# Altium PCB GiroScope.PcbDoc (part 3 of 4)
Units mm, origin at the board's own origin, x right, y up, seen from the top; angles counter-clockwise.
Board outline 185 x 124.5 mm, 2 copper layers (Top Layer, Bottom Layer); 299 components, 122 nets, 3024 pads, 61 vias.
Unrouted connection lines stored in the file: 4.
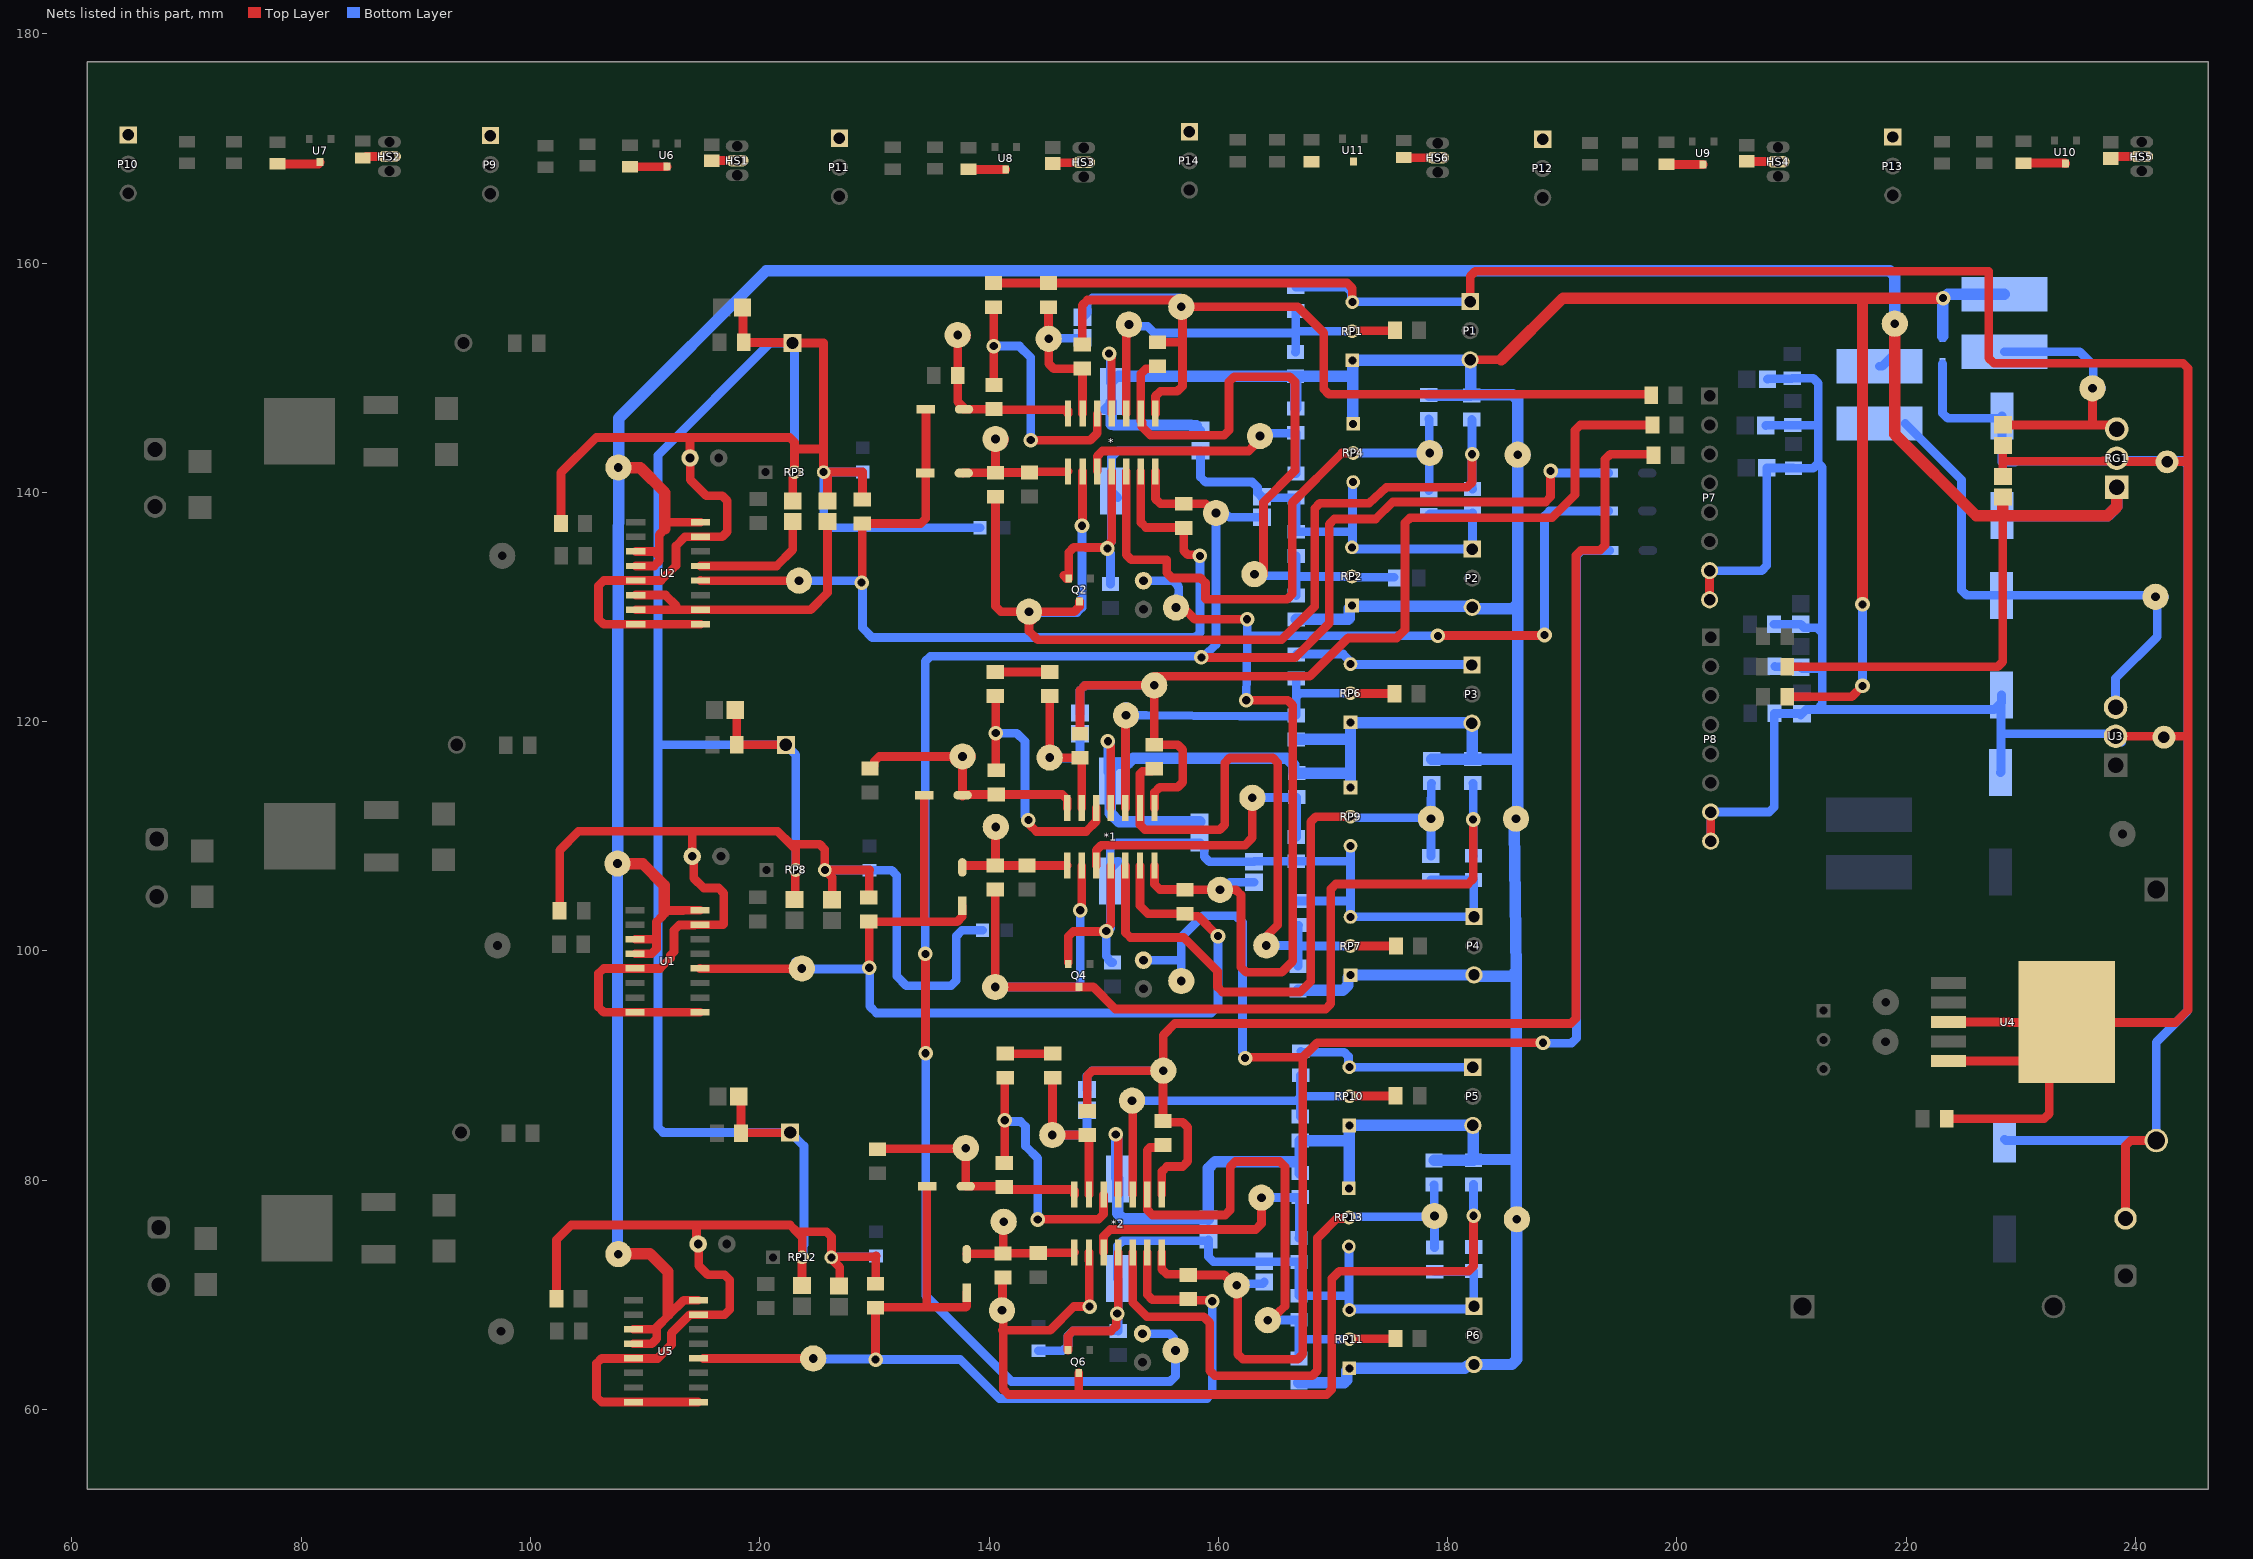
[diagram p3: the nets of this part, all layers, seen from the top]

## Via types
v1: diameter 1.27, hole 0.711, Top Layer to Bottom Layer, 61 vias

## Nets (pads, with @x,y where several pads share a name; then routed paths per layer and width w, separated by ;. In a path a pad name is that pad's centre, name@x,y a point inside that pad or via, vN(x,y) a via of type N, cw(c..) or ccw(c..) an arc to the next point about the centre after c; other vN are vias at no path point)
+5: *1.4 *2.4 *.4 C8.1 C10.2 C16.1 C18.2 C22.1 C24.2 L1.2 P1.3 P2.3 P3.3 P4.3 P5.3 P6.3 R2.2 R14.1 R16.2 R19.1 R24.2 R29.2 R41.1 R43.2 R46.1 R51.2 R56.2 R67.1 R69.2 R72.1 R77.2 R89.2 RP1.1 RP2.1 RP4.1 RP6.1 RP7.1 RP9.1 RP10.1 RP11.1 RP13.1 TP7.1 TP20.1 TP35.1 Z1.1 | length 447.3
  Top Layer w0.7: v1@150.656,151.909 150.579,151.832 150.698,151.712 *.4@150.698,146.862
  Top Layer w0.762: v1(150.368,118.288) 150.368,118.15 150.622,117.896 *1.4@150.622,112.47 ; v1(150.47,152.095) 150.47,151.958 v1@150.698,151.729 ; v1(151.054,83.998) 151.257,83.795 *2.4@151.257,78.74 ; P1.3@181.961,151.562 184.683,151.562 ; R89.2@209.61,122.174 215.24,122.174 v1(216.179,123.114) ; 216.129,156.947 216.179,156.896
  Top Layer w1: 184.683,151.562 190.068,156.947 216.129,156.947 v1(223.215,156.947) ; v1(216.179,130.226) 216.179,156.896
  Bottom Layer w0.762: C16.1@150.054,147.229 150.673,147.848 C16.1@150.673,148.8 150.673,149.511 C16.1@151.292,150.13 ; v1(150.368,118.288) v1@150.465,118.191 ; v1(150.47,152.095) 150.567,151.998 150.567,149.566 C16.1@150.622,149.511 ; v1(151.054,83.998) v1@151.13,83.922 ; C8.1@151.13,80.201 C8.1@151.206,80.125 ; 157.602,145.873 C10.2@157.677,145.798 ; C10.2@158.074,145.798 C10.2@158.445,145.427 ; C24.2@159.067,76.657 C24.2@159.131,76.593 ; R2.2@166.726,150.13 R2.2@166.738,150.117 ; R14.1@166.738,147.317 R14.1@166.751,147.304 ; 170.978,62.348 171.206,62.575 ; RP11.1@171.206,63.383 RP11.1@171.425,63.602 ; RP7.1@171.307,97.673 RP7.1@171.526,97.892 RP7.1@171.539,97.904 ; 171.316,118.447 171.526,118.237 ; 171.334,128.912 171.429,129.007 ; RP13.1@171.379,79.299 RP13.1@171.402,79.322 ; RP10.1@171.402,84.762 RP10.1@171.425,84.785 ; RP2.1@171.429,129.905 RP2.1@171.648,130.124 RP2.1@171.724,130.048 ; 171.45,115.519 171.526,115.595 ; RP6.1@171.526,119.939 RP6.1@171.564,119.901 ; RP1.1@171.704,151.536 RP1.1@171.679,151.511 RP1.1@171.717,151.473 ; RP4.1@171.717,146.012 RP4.1@171.755,145.974 ; R24.2@178.359,148.488 R24.2@178.379,148.468 ; R77.2@178.816,81.721 R77.2@178.829,81.734 ; 181.48,63.602 P6.3@181.669,63.791 ; P1.3@181.935,151.536 P1.3@181.961,151.562 P1.3@182.027,151.496 ; R19.1@181.981,148.468 R19.1@182.027,148.513 ; P2.3@182.067,130.048 P2.3@182.143,129.972 P2.3@182.27,129.845 ; P3.3@182.08,119.901 P3.3@182.118,119.863 P3.3@182.156,119.825 ; P6.3@182.155,63.791 P6.3@182.296,63.932 ; R46.1@182.156,116.776 R46.1@182.194,116.738 ; P5.3@182.194,84.785 P5.3@182.22,84.76 ; R72.1@182.22,81.772 R72.1@182.245,81.747 ; R72.1@182.232,81.734 R72.1@182.245,81.747 ; P4.3@182.283,97.904 P4.3@182.296,97.917 P4.3@182.437,97.776 ; R72.1@182.312,81.813 R72.1@182.245,81.747 ; TP7.1@186.106,144.066 TP7.1@186.106,143.281 TP7.1@186.891,143.281 ; v1(216.179,123.114) v1(216.179,130.226) ; v1@223.164,156.816 v1@223.611,157.262 ; L1.2@228.479,157.332 L1.2@228.549,157.262
  Bottom Layer w1: C22.1@150.465,115.625 v1@150.465,118.191 ; 150.673,145.948 C16.1@150.673,147.848 ; 150.928,145.873 157.602,145.873 ; C8.1@151.13,80.201 v1@151.13,83.922 ; C8.1@151.206,80.125 151.206,77.104 151.653,76.657 C24.2@159.067,76.657 ; C16.1@151.292,150.13 R2.2@166.726,150.13 171.717,150.13 ; C10.2@157.677,145.798 C10.2@158.074,145.798 ; C18.2@158.369,111.25 151.335,111.25 150.571,112.014 C22.1@150.571,114.821 150.571,115.871 151.071,116.371 152.121,116.371 152.565,116.815 165.987,116.815 166.573,116.229 166.573,115.622 166.676,115.519 171.45,115.519 ; C24.2@159.131,76.593 159.131,81.05 159.717,81.636 166.878,81.636 ; R14.1@166.738,147.317 R2.2@166.738,150.117 ; R29.2@166.802,118.447 171.316,118.447 ; R16.2@166.802,128.911 171.334,128.912 ; R43.2@166.954,96.561 170.861,96.561 171.307,97.008 RP7.1@171.307,97.673 ; R69.2@167.03,62.348 170.978,62.348 ; R67.1@167.132,80.629 167.132,81.636 R56.2@167.132,83.464 171.402,83.464 ; 171.206,62.575 RP11.1@171.206,63.383 ; RP13.1@171.402,79.322 171.402,83.464 ; RP10.1@171.402,84.762 171.402,83.464 ; RP11.1@171.425,63.602 181.48,63.602 ; RP10.1@171.425,84.785 P5.3@182.194,84.785 ; 171.429,129.007 RP2.1@171.429,129.905 ; RP9.1@171.526,114.249 171.526,115.595 171.526,118.237 RP6.1@171.526,119.939 ; RP7.1@171.539,97.904 P4.3@182.283,97.904 ; RP6.1@171.564,119.901 P3.3@182.08,119.901 ; RP1.1@171.704,151.536 P1.3@181.935,151.536 ; RP4.1@171.717,146.012 RP1.1@171.717,151.473 ; RP2.1@171.724,130.048 P2.3@182.067,130.048 ; R24.2@178.379,148.468 R19.1@181.981,148.468 ; R51.2@178.613,116.738 R46.1@182.194,116.738 186.106,116.738 ; R77.2@178.829,81.734 R72.1@182.232,81.734 ; P6.3@181.669,63.791 P6.3@182.155,63.791 ; P1.3@182.027,151.496 182.027,148.513 185.659,148.513 186.106,148.067 TP7.1@186.106,144.066 ; R46.1@182.156,116.776 P3.3@182.156,119.825 ; R72.1@182.22,81.772 P5.3@182.22,84.76 ; P2.3@182.27,129.845 185.659,129.845 186.106,130.291 ; P6.3@182.296,63.932 185.589,63.932 186.035,64.378 TP35.1@186.035,75.816 ; R72.1@182.312,81.813 185.965,81.813 ; P4.3@182.437,97.776 185.518,97.776 185.965,98.222 ; TP20.1@185.798,110.744 185.965,98.222 ; TP35.1@185.965,77.383 185.965,81.813 ; TP20.1@186.106,112.458 186.106,116.738 ; TP7.1@186.106,142.496 186.106,130.291 ; Z1.1@223.164,153.6 v1@223.164,156.816 ; v1@223.611,157.262 L1.2@228.549,157.262 ; 185.965,81.813 185.965,98.222 ; 186.106,116.738 186.106,130.291
+12: C3.1 C6.1 L2.2 R90.2 RG1.1 TP2.1 TP26.1 TP34.1 TP41.1 U1.8 U1.11 U1.12 U2.8 U2.11 U2.12 U5.8 U5.11 U5.12 | length 327.4
  Top Layer w0.762: TP2.1@107.115,142.719 107.765,142.566 TP2.1@108.416,142.412 ; TP26.1@107.594,107.62 TP26.1@108.38,107.62 ; TP2.1@107.671,142.164 107.696,142.138 TP2.1@108.456,142.138 ; U5.12@108.991,65.735 110.574,65.735 111.023,66.185 111.023,67.191 ; U5.11@108.991,67.005 110.838,67.005 111.023,67.191 ; U1.12@109.137,99.746 110.552,99.746 110.998,100.192 110.998,101.239 ; U1.11@109.137,101.016 110.775,101.016 110.998,101.239 ; U2.12@109.188,133.579 110.78,133.579 111.227,134.025 111.227,134.417 ; U2.11@109.188,134.849 110.795,134.849 111.227,134.417 ; 111.535,103.07 110.998,102.532 110.998,101.239 ; 111.633,103.53 111.658,103.53 113.32,103.53 113.346,103.556 U1.8@114.789,103.556 ; 111.658,137.389 111.735,137.389 U2.8@114.84,137.389 ; 111.735,136.804 111.227,136.296 111.227,134.417 ; 111.998,68.334 112.082,68.25 ; U5.8@114.643,69.545 113.378,69.545 112.082,68.25 ; R90.2@209.61,124.79 227.976,124.79 228.422,125.237 228.422,137.973 ; TP34.1@218.999,153.926 TP34.1@218.999,154.711 ; 111.023,67.191 112.082,68.25
  Top Layer w1: TP26.1@108.38,107.62 109.779,107.62 111.658,105.74 111.658,103.53 111.658,103.361 ; TP2.1@108.456,142.138 109.576,142.138 111.735,139.979 111.735,137.389 111.735,136.804 ; TP41.1@108.685,73.609 110.414,73.609 111.998,72.025 111.998,68.334 ; TP34.1@218.999,153.926 218.999,145.059 226.085,137.973 228.422,137.973 ; C3.1@228.422,139.587 228.422,137.973 ; RG1.1@238.354,140.442 238.354,138.749 237.577,137.973 228.422,137.973
  Bottom Layer w0.762: L2.2@217.653,151.003 217.909,151.003 219.028,152.122 TP34.1@219.028,153.927
  Bottom Layer w1: TP41.1@107.594,74.34 TP26.1@107.594,106.835 ; TP26.1@107.632,108.404 107.632,124.638 TP2.1@107.702,141.379 ; TP2.1@107.709,142.948 107.709,146.469 120.548,159.309 218.552,159.309 218.999,158.862 TP34.1@218.999,155.496 ; C6.1@228.346,137.966 237.571,137.966 238.354,138.749 RG1.1@238.354,140.442
GND: *1.11 *2.11 *.11 C2.2 C3.2 C4.1 C5.2 C6.2 C7.2 C8.2 C9.1 C10.1 C11.2 C12.2 C14.1 C15.2 C16.2 C17.1 C18.1 C20.1 C21.2 C22.2 C23.1 C24.1 C25.1 C26.1 C27.1 C28.1 C29.1 C30.1 C31.1 C32.1 C33.1 C34.1 C35.1 C36.1 C37.1 C38.1 C39.1 CR1.2 D4.2 D5.2 D10.2 D11.2 D17.2 D18.2 HS1.2 HS2.2 HS3.2 HS4.2 HS5.2 HS6.2 J1.2 J8.1 J9.1 J10.1 P1.1 P2.1 P3.1 P4.1 P5.1 P6.1 P7.7 P7.8 P8.7 P8.8 P9.1 P10.1 P11.1 P12.1 P13.1 P14.1 pad.2 Q2.2 Q4.2 Q6.2 R3.2 R7.1 R10.2 R11.2 R18.1 R20.2 R22.1 R23.1 R25.1 R26.2 R30.2 R33.1 R34.1 R37.2 R38.2 R45.1 R47.2 R49.1 R50.1 R52.1 R53.2 R57.2 R60.1 R63.2 R64.2 R71.1 R73.2 R75.1 R76.1 R78.1 R79.2 R83.2 R84.2 R85.2 R87.1 R88.2 R92.2 R93.2 R94.2 R96.1 R97.2 R99.1 R100.2 R107.2 R108.2 R109.2 R116.2 R117.2 R118.2 RG1.2 RP1.3 RP2.3 RP3.2 RP3.3 RP4.3 RP6.3 RP7.3 RP8.2 RP8.3 RP9.3 RP10.3 RP11.3 RP12.2 RP12.3 RP13.3 U1.1 U1.7 U1.13 U1.16 U2.1 U2.7 U2.13 U2.16 U3.2 U4.3 U4.5 U4.6 U5.1 U5.7 U5.13 U5.16 U6.3 U7.3 U8.3 U9.3 U10.3 U11.3 Z1.2 | length 1253.8
  Top Layer w0.762: R108.2@77.953,168.645 81.507,168.645 U7.3@81.661,168.799 ; C32.1@85.33,169.111 C32.1@85.369,169.151 85.569,169.151 85.71,169.291 HS2.2@87.706,169.291 ; R71.1@102.267,69.672 102.267,74.81 103.556,76.098 114.484,76.098 ; R45.1@102.546,103.505 102.546,108.795 104.191,110.439 113.97,110.439 ; R18.1@102.657,137.287 102.657,141.697 105.74,144.78 113.843,144.78 ; R107.2@108.687,168.391 111.885,168.391 U6.3@111.902,168.409 ; U5.1@114.643,60.655 U5.16@108.991,60.655 106.212,60.655 105.766,61.102 105.766,64.019 106.212,64.465 U5.13@108.991,64.465 111.1,64.465 112.293,65.659 112.293,66.665 113.904,68.275 U5.7@114.643,68.275 116.927,68.275 117.373,68.722 117.373,71.309 116.927,71.755 115.468,71.755 114.681,72.542 114.681,74.397 J10.1@114.63,74.447 114.484,74.593 114.484,76.098 ; U1.1@114.789,94.666 U1.16@109.137,94.666 106.39,94.666 105.943,95.112 105.943,98.029 106.39,98.476 U1.13@109.137,98.476 111.303,98.476 112.217,99.39 112.217,99.615 112.522,99.92 112.522,101.814 112.968,102.26 114.338,102.26 114.364,102.286 U1.7@114.789,102.286 116.789,102.286 116.865,102.362 116.865,105.04 116.419,105.486 115.113,105.486 114.249,106.35 114.249,108.117 J9.1@114.111,108.255 114.111,110.298 113.97,110.439 ; U2.1@114.84,128.499 U2.16@109.188,128.499 106.39,128.499 105.943,128.945 105.943,131.862 106.39,132.309 U2.13@109.188,132.309 111.379,132.309 112.689,133.619 112.689,135.32 113.487,136.119 U2.7@114.84,136.119 116.724,136.119 117.17,136.565 117.17,139.254 116.724,139.7 115.341,139.7 113.944,141.097 113.944,142.977 J8.1@113.919,143.002 113.919,144.704 113.843,144.78 ; C31.1@115.688,168.935 HS1.2@118.034,168.935 ; C38.1@117.856,121.031 117.992,120.895 R97.2@117.992,117.983 R96.1@122.276,117.983 ; C39.1@118.161,87.3 118.373,87.087 R100.2@118.373,84.099 118.412,84.138 122.618,84.138 R99.1@122.657,84.176 ; C37.1@118.489,156.108 118.546,156.052 118.546,153.142 R88.2@118.602,153.086 118.627,153.06 122.834,153.06 R87.1@122.86,153.035 125.563,153.035 125.563,143.789 ; C4.1@122.885,139.255 RP3.2@122.885,141.486 ; C14.1@123.038,104.482 123.088,104.533 123.088,107.015 RP8.2@123.139,107.066 123.139,108.85 122.693,109.296 ; RP3.2@123.038,141.757 123.038,143.866 ; C20.1@123.673,70.815 123.685,70.828 123.685,73.266 RP12.2@123.698,73.279 123.698,75.042 123.226,75.514 ; RP3.3@125.578,141.757 125.563,141.772 125.563,143.789 ; RP3.3@125.628,141.766 128.973,141.766 ; RP3.3@125.908,141.309 C5.2@125.908,139.255 C5.2@125.97,139.317 ; C15.2@126.314,104.457 126.314,106.401 125.679,107.036 RP8.3@125.679,107.066 ; C21.2@126.924,70.776 126.975,70.827 126.975,72.424 126.238,73.16 RP12.3@126.238,73.279 RP12.3@126.263,73.304 ; R11.2@128.93,139.379 128.956,139.405 128.956,141.749 128.973,141.766 ; 128.981,141.774 128.973,141.766 ; R38.2@129.515,104.657 129.54,104.683 129.54,107.027 129.565,107.052 129.559,107.059 125.686,107.059 RP8.3@125.679,107.066 ; R64.2@130.099,70.977 130.124,71.002 130.124,73.372 ; 130.15,73.397 130.124,73.372 ; R109.2@138.252,168.112 R109.2@138.201,168.162 141.429,168.162 U8.3@141.453,168.139 ; R3.2@140.386,158.251 R10.2@145.186,158.251 171.232,158.251 171.679,157.805 RP1.3@171.679,156.591 ; R30.2@140.538,124.342 140.543,124.338 145.283,124.338 R37.2@145.288,124.333 ; R57.2@141.402,91.043 R63.2@145.567,91.043 ; C33.1@145.442,168.677 C33.1@145.567,168.677 145.628,168.737 147.65,168.737 147.695,168.783 HS3.2@148.26,168.783 ; 146.508,132.743 146.755,132.496 Q2.2@146.954,132.496 ; Q6.2@146.878,65.186 146.878,66.406 147.324,66.853 150.637,66.853 151.084,67.299 151.084,68.142 v1@151.257,68.142 ; Q4.2@146.903,98.993 146.903,101.255 147.35,101.702 148.438,101.702 148.442,101.697 150.042,101.697 150.157,101.633 150.216,101.6 v1(150.216,101.737) 150.216,101.875 150.622,102.281 *1.11@150.622,107.442 ; Q2.2@146.954,132.743 146.954,134.758 147.401,135.204 148.427,135.204 148.432,135.2 150.093,135.2 v1@150.19,135.103 ; v1(150.328,135.103) v1@150.19,135.103 ; *.11@150.698,141.834 150.698,135.748 150.19,135.24 v1@150.19,135.103 ; v1@151.257,68.036 v1@151.257,68.142 ; *2.11@151.257,73.712 v1@151.257,68.142 ; RP2.3@171.564,135.288 RP2.3@171.648,135.204 ; C36.1@175.88,169.189 175.892,169.201 C36.1@176.174,169.201 176.186,169.189 HS6.2@179.121,169.189 ; P1.1@181.961,156.642 181.961,158.837 182.407,159.283 227.203,159.283 227.203,151.703 227.649,151.257 244.13,151.257 244.577,150.811 244.577,142.697 ; R116.2@199.093,168.62 199.126,168.586 U9.3@202.283,168.586 ; P7.7@202.844,133.172 P7.8@202.844,130.632 P7.8@202.999,130.632 ; P8.8@202.941,109.576 P8.7@202.941,112.116 ; C34.1@206.104,168.87 206.121,168.852 208.203,168.852 208.221,168.834 HS4.2@208.813,168.834 ; R33.1@223.529,85.369 232.014,85.369 232.461,85.816 U4.6@232.461,92.268 ; U4.5@223.69,90.398 230.591,90.398 U4.6@232.461,92.268 ; U4.3@223.69,93.802 228.981,93.802 229.032,93.751 U4.6@233.944,93.751 ; C3.2@228.397,141.707 228.409,141.719 228.409,142.723 ; C2.2@228.422,144.096 228.409,144.083 228.409,142.723 ; R117.2@230.226,168.721 233.834,168.721 U10.3@233.883,168.672 ; 236.906,142.723 228.409,142.723 ; 237.152,142.73 237.963,142.73 237.996,142.697 244.577,142.697 ; C35.1@237.846,169.124 237.944,169.222 238.405,169.222 238.473,169.291 HS5.2@240.538,169.291 ; U3.2@238.252,118.72 244.577,118.72 ; J1.2@239.124,76.668 239.124,83.018 239.57,83.464 CR1.2@241.808,83.464 ; 113.843,144.78 122.617,144.78 123.038,144.359 123.038,143.866 ; 113.97,110.439 121.55,110.439 122.693,109.296 ; 114.484,76.098 122.642,76.098 123.226,75.514 ; 122.693,109.296 125.233,109.296 125.679,108.85 RP8.3@125.679,107.066 ; 123.038,143.866 123.114,143.789 125.563,143.789 ; 123.226,75.514 125.817,75.514 126.263,75.068 RP12.3@126.263,73.304 ; RP12.3@126.263,73.304 126.297,73.338 130.09,73.338 130.124,73.372 ; U4.6@232.461,92.268 U4.6@233.944,93.751 ; U4.6@233.944,93.751 243.484,93.751 244.577,94.844 244.577,118.72 ; 244.577,118.72 244.577,142.697
  Bottom Layer w0.762: RP3.2@123.038,141.757 123.038,152.857 R87.1@122.86,153.035 120.929,153.035 111.125,143.231 111.125,118.085 ; RP8.2@123.139,107.066 123.139,117.119 R96.1@122.276,117.983 111.227,117.983 111.125,118.085 ; RP12.2@123.698,73.279 123.782,73.363 123.782,74.328 123.85,74.397 123.85,82.982 R99.1@122.657,84.176 111.571,84.176 111.125,84.622 111.125,118.085 ; RP8.3@125.679,107.066 125.686,107.059 129.559,107.059 D10.2@129.565,107.052 129.582,107.036 131.507,107.036 131.953,106.589 131.953,97.815 132.791,96.977 136.688,96.977 137.135,97.424 137.135,101.295 137.643,101.803 D11.2@139.429,101.803 ; RP12.3@126.238,73.279 126.297,73.338 130.09,73.338 D17.2@130.15,73.397 ; D4.2@128.981,141.774 128.973,141.766 125.586,141.766 RP3.3@125.578,141.757 125.578,137.352 126.024,136.906 D5.2@139.209,136.906 ; D18.2@144.323,65.142 146.432,65.142 146.878,65.589 146.878,66.432 147.324,66.878 151.241,66.878 R78.1@151.257,66.862 C8.2@151.257,71.374 ; v1@150.19,135.24 150.673,135.723 C16.2@150.673,140.1 ; v1@150.521,134.909 v1(150.328,135.103) 150.328,134.965 150.597,134.696 R25.1@150.597,132.013 ; v1@150.571,102.093 C22.2@150.571,106.121 C22.2@150.571,107.171 ; v1@150.597,101.981 150.353,101.737 v1(150.216,101.737) 150.216,99.561 150.401,99.376 150.401,99.225 150.624,99.003 R52.1@150.774,99.003 ; C8.2@151.206,71.425 151.206,74.28 151.653,74.727 159.067,74.727 C24.1@159.131,74.791 159.131,73.346 159.577,72.899 166.994,72.899 R76.1@167.03,72.863 R73.2@167.03,69.936 171.402,69.936 ; C22.2@151.229,107.83 C22.2@150.571,107.171 ; C16.2@151.234,139.538 C16.2@150.673,140.1 ; C17.1@163.119,107.784 159.212,107.784 158.766,108.23 158.766,109.077 158.395,109.449 C18.1@158.369,109.449 151.018,109.449 150.571,109.002 C22.2@150.571,107.171 ; C17.1@163.119,107.83 R50.1@166.802,107.829 171.469,107.83 171.526,107.772 ; C9.1@163.805,139.538 R23.1@166.776,139.538 166.789,139.525 166.789,136.573 R20.2@166.802,136.56 171.686,136.56 171.702,136.576 ; C9.1@163.805,139.624 163.779,139.624 163.407,139.995 163.407,140.447 162.961,140.894 158.892,140.894 158.445,141.34 C10.1@158.445,143.625 151.245,143.625 150.673,143.053 C16.2@150.673,140.1 ; R7.1@166.751,157.912 171.166,157.912 171.612,157.465 171.612,156.658 RP1.3@171.679,156.591 171.704,156.616 181.935,156.616 P1.1@181.961,156.642 ; R34.1@166.837,125.902 170.861,125.902 171.442,125.32 171.442,125.103 RP6.3@171.526,125.019 171.564,124.981 182.08,124.981 P3.1@182.118,124.943 ; R47.2@166.98,104.353 171.51,104.353 171.526,104.369 ; R60.1@167.183,91.256 167.278,91.161 170.978,91.161 171.341,90.798 171.341,89.949 RP10.3@171.425,89.865 P5.1@182.194,89.865 ; RP13.3@171.379,74.219 171.402,74.196 171.402,69.936 ; RP9.3@171.526,109.169 171.526,107.772 ; RP4.3@171.755,140.894 171.702,140.841 171.702,136.576 ; R26.2@178.359,138.04 178.435,138.116 182.093,138.116 R22.1@182.156,138.179 ; R53.2@178.537,106.188 178.541,106.193 182.24,106.193 R49.1@182.245,106.197 182.27,106.172 182.27,103.022 P4.1@182.296,102.997 182.283,102.984 171.539,102.984 RP7.3@171.526,102.972 171.526,104.369 ; R79.2@178.867,72.025 178.892,72.05 182.245,72.05 R75.1@182.27,72.076 182.283,72.063 182.283,69.025 P6.1@182.296,69.012 182.049,68.765 171.508,68.765 RP11.3@171.425,68.682 171.402,68.705 171.402,69.936 ; R22.1@182.169,138.192 R22.1@182.156,138.179 ; P7.8@202.844,130.632 P7.7@202.844,133.172 207.388,133.172 207.835,133.619 C27.1@207.835,142.138 207.852,142.121 210.142,142.121 R85.2@210.16,142.104 211.872,142.104 212.319,142.55 ; P8.8@202.941,109.576 P8.7@202.941,112.116 208.046,112.116 208.493,112.562 R92.2@208.493,120.726 208.511,120.708 210.679,120.708 210.797,120.59 C28.1@210.822,120.615 ; C26.1@207.747,145.821 207.767,145.842 210.088,145.842 R84.2@210.109,145.863 212.252,145.863 212.319,145.796 ; C25.1@207.885,149.86 207.931,149.906 210.012,149.906 R83.2@210.058,149.952 211.872,149.952 212.319,149.506 212.319,145.796 ; R94.2@208.467,128.499 208.473,128.493 C30.1@210.789,128.493 ; R93.2@208.518,124.841 208.562,124.797 210.751,124.797 C29.1@210.795,124.753 210.92,124.628 212.674,124.628 ; C30.1@210.795,128.487 211.086,128.196 212.228,128.196 212.674,127.749 ; C28.1@210.896,120.689 211.268,121.06 212.228,121.06 ; Z1.2@223.164,151.2 223.164,146.903 223.611,146.456 228.136,146.456 C6.2@228.346,146.666 228.346,142.646 229.514,142.646 229.514,142.723 RG1.2@238.354,142.723 ; C11.2@228.219,115.57 228.257,115.608 228.257,118.945 ; C7.2@228.295,122.32 228.295,121.679 C7.2@228.257,121.641 ; C12.2@228.575,83.579 228.689,83.464 CR1.2@241.808,83.464 241.808,92.05 244.551,94.793 244.551,142.352 244.105,142.799 238.531,142.799 RG1.2@238.354,142.977 ; U3.2@238.792,118.22 238.067,118.945 228.257,118.945 ; 171.526,104.369 171.526,107.772 ; 171.702,136.576 171.702,135.257 RP2.3@171.648,135.204 171.767,135.204 171.919,135.052 P2.1@182.143,135.052 182.156,135.064 R22.1@182.156,138.179 ; 212.228,121.06 227.676,121.06 C7.2@228.257,121.641 ; 212.228,121.06 212.674,121.507 212.674,124.628 ; 212.319,142.55 212.674,142.194 212.674,127.749 ; 212.319,142.55 212.319,145.796 ; 212.674,124.628 212.674,127.749 ; 228.257,118.945 C7.2@228.257,121.641
  other v1: 151.181,68.377
Net*1_1: *1.1 C13.1 R27.2 R36.2 R82.2 TP21.1 | length 93.6
  Top Layer w0.762: R36.2@147.93,118.948 147.93,122.718 148.376,123.165 TP21.1@153.621,123.165 ; TP21.1@154.407,122.379 R27.2@154.407,117.992 156.449,117.992 156.896,117.546 156.896,114.721 156.449,114.275 154.878,114.275 154.432,113.828 *1.1@154.432,112.47 ; TP21.1@154.407,123.165 154.407,123.95 167.968,123.95 171.323,127.305 175.565,127.305 176.276,128.016 176.276,137.349 176.722,137.795 189.103,137.795 191.111,139.803 191.111,145.426 191.558,145.872 R82.2@197.857,145.872
  Bottom Layer w0.762: C13.1@147.93,120.75 147.93,122.718 148.376,123.165 TP21.1@153.622,123.165
Net*1_2: *1.2 R27.1 R42.2 R43.1 R47.1 RP7.2 TP27.1 | length 54.5
  Top Layer w0.762: R27.1@154.407,115.891 154.184,115.669 153.386,115.669 153.162,115.444 *1.2@153.162,112.47 153.162,111.013 153.608,110.566 160.107,110.566 160.553,111.013 160.553,116.394 161,116.84 164.73,116.84 165.176,116.394 165.176,102.259 164.186,101.268 TP27.1@164.186,100.482 ; RP7.2@171.526,100.432 R42.2@175.489,100.432
  Bottom Layer w0.762: TP27.1@164.971,100.482 166.941,100.482 166.967,100.457 ; R43.1@166.954,98.663 166.967,98.676 166.967,100.457 ; R47.1@166.98,102.251 166.967,102.238 166.967,100.457 ; RP7.2@171.526,100.432 166.992,100.432 166.967,100.457
Net*1_3: *1.3 R28.2 R29.1 R34.2 RP6.2 TP23.1 | length 37.4
  Top Layer w0.254: TP23.1@152.324,120.548 TP23.1@152.375,120.599
  Top Layer w0.762: *1.3@151.892,112.47 TP23.1@151.892,120.548 ; RP6.2@171.526,122.479 171.552,122.453 175.327,122.453 R28.2@175.352,122.428
  Bottom Layer w0.762: TP23.1@151.207,120.548 TP23.1@151.943,120.548 152.137,120.548 152.149,120.548 152.2,120.599 152.296,120.599 152.479,120.599 TP23.1@152.655,120.599 ; TP23.1@151.943,121.333 152.264,121.144 TP23.1@152.629,120.929 ; TP23.1@152.137,120.929 152.382,120.593 152.498,120.433 152.424,120.449 TP23.1@152.655,120.218 ; TP23.1@152.728,120.548 153.684,120.548 161.854,120.472 166.429,120.472 R29.1@166.802,120.548 166.802,122.157 ; R34.2@166.802,123.765 166.802,122.157 ; RP6.2@171.526,122.479 167.124,122.479 166.802,122.157
Net*1_5: *1.5 R30.1 R31.2 | length 24.4
  Top Layer w0.762: R30.1@140.538,122.241 140.589,122.19 v1(140.589,118.999) 140.589,115.808 R31.2@140.64,115.757 ; v1(143.434,111.415) 143.531,111.318 143.531,111.017 144.134,110.414 148.463,110.414 149.352,111.303 *1.5@149.352,112.47
  Bottom Layer w0.762: v1(140.589,118.999) 142.418,118.999 143.129,118.288 143.129,111.72 v1(143.434,111.415)
Net*1_6: *1.6 C13.2 R36.1 R37.1 TP22.1 | length 16.9
  Top Layer w0.762: TP22.1@145.136,117.636 145.477,117.54 TP22.1@145.819,117.445 ; R37.1@145.136,122.241 145.217,122.16 145.288,122.088 TP22.1@145.288,117.651 ; TP22.1@146.046,117.073 146.059,116.982 TP22.1@146.073,116.891 ; TP22.1@146.073,116.856 147.92,116.856 R36.1@147.93,116.846 148.082,116.694 *1.6@148.082,112.47
  Bottom Layer w0.762: TP22.1@145.288,116.865 145.339,116.815 146.071,116.815 147.483,116.815 147.93,117.261 C13.2@147.93,118.948 ; TP22.1@145.288,117.65 145.549,117.551 TP22.1@145.81,117.452
Net*1_7: *1.7 D7.2 R13.2 R31.1 TP50.1 | length 23.4
  Top Layer w0.762: R13.2@129.616,115.91 129.767,115.91 129.989,116.132 129.989,116.521 130.436,116.967 TP50.1@136.908,116.967 ; TP50.1@136.991,116.616 136.949,116.791 TP50.1@136.908,116.967 ; D7.2@137.693,113.589 D7.2@137.693,113.488 ; TP50.1@138.479,116.967 TP50.1@137.693,116.967 ; R31.1@140.64,113.64 137.693,113.64 137.693,116.181 TP50.1@137.693,116.967 ; R31.1@140.64,113.656 146.366,113.656 146.812,113.209 *1.7@146.812,112.47 ; TP50.1@136.908,116.967 TP50.1@137.693,116.967
Net*1_8: *1.8 D9.2 R48.2 R123.1 TP29.1 | length 13.5
  Top Layer w0.762: D9.2@137.668,107.289 137.668,107.451 R123.1@140.538,107.451 ; v1(140.589,110.82) TP29.1@140.564,110.795 ; TP29.1@141.375,110.82 140.59,110.796 TP29.1@140.564,110.795 ; *1.8@146.812,107.442 146.807,107.447 143.312,107.447 R48.2@143.307,107.451 R123.1@140.538,107.451 ; R123.1@140.538,107.451 140.564,107.477 140.564,110.035 TP29.1@140.564,110.795
Net*1_9: *1.9 Q4.3 R46.2 R49.2 R123.2 TP30.1 | length 90
  Top Layer w0.762: TP30.1@140.538,97.636 R123.2@140.538,105.35 ; TP30.1@141.324,96.866 149.079,96.866 151,94.945 169.353,94.945 169.799,95.392 169.799,105.395 170.245,105.842 181.773,105.842 182.22,106.288 v1(182.22,111.468) ; v1(147.955,103.556) 147.93,103.302 148.04,103.511 148.082,103.592 *1.9@148.082,107.442
  Bottom Layer w0.762: TP30.1@140.538,96.85 141.323,96.85 147.853,96.85 147.955,96.952 v1(147.955,103.556) ; R46.2@182.194,114.637 182.22,114.611 v1(182.22,111.468) 182.22,108.324 R49.2@182.245,108.299
Net*1_10: *1.10 R41.2 R50.2 TP28.1 | length 26.3
  Top Layer w0.762: *1.10@149.352,107.442 149.352,108.781 149.798,109.228 162.325,109.228 162.966,109.87 TP28.1@162.966,113.36
  Bottom Layer w0.762: TP28.1@162.966,113.36 162.995,113.389 163.751,113.389 166.799,113.389 R41.2@166.814,113.405 ; R50.2@166.802,109.931 166.814,109.944 R41.2@166.814,113.405 ; R41.2@166.827,113.417 R41.2@166.814,113.405
Net*1_12: *1.12 R51.1 R53.1 RP9.2 TP33.1 | length 58.5
  Top Layer w0.762: *1.12@151.892,107.442 151.892,101.615 152.338,101.168 156.972,101.168 159.918,98.222 159.918,96.865 160.365,96.418 167.132,96.418 168.046,97.333 168.046,111.263 168.493,111.709 RP9.2@171.526,111.709
  Bottom Layer w0.762: RP9.2@171.526,111.709 171.61,111.625 177.757,111.625 177.818,111.364 TP33.1@177.88,111.102 ; TP33.1@178.382,112.301 178.459,112.309 TP33.1@178.537,112.316 ; R53.1@178.537,108.29 178.537,110.746 178.544,111.531 178.552,112.316 R51.1@178.575,114.599 ; TP33.1@178.575,112.315 R51.1@178.575,114.599 ; R51.1@178.613,114.637 R51.1@178.575,114.599
Net*1_13: *1.13 D7.1 D9.1 R38.1 R120.2 TP24.1 U1.4 | length 91.6
  Top Layer w0.762: U1.4@114.789,98.476 114.814,98.45 122.606,98.45 TP24.1@122.631,98.425 ; v1(129.553,98.539) 129.553,102.518 R38.1@129.515,102.556 137.222,102.556 137.668,103.002 D9.1@137.668,103.938 ; 134.341,102.556 D7.1@134.341,113.589 ; *1.13@153.162,107.442 153.162,103.937 153.857,103.242 R120.2@157.25,103.242 ; R120.2@157.099,103.242 157.321,103.019 158.245,103.019 v1(159.969,101.295)
  Bottom Layer w0.762: TP24.1@122.889,98.425 123.787,98.425 124.456,98.425 124.458,98.425 129.515,98.425 v1@129.591,98.501 ; TP24.1@123.118,99.031 TP24.1@123.787,98.728 ; v1(129.553,98.539) v1@129.591,98.501 ; v1(159.969,101.295) 159.969,95.188 159.373,94.592 130.187,94.592 129.591,95.188 v1@129.591,98.501
Net*1_14: *1.14 C17.2 D20.1 J6.1 R120.1 TP16.1 TP32.1 | length 109.5
  Top Layer w0.762: J6.1@153.384,132.377 J6.1@153.467,132.294 ; *1.14@154.432,107.442 154.432,105.81 154.878,105.364 157.078,105.364 R120.1@157.099,105.343 157.104,105.339 TP32.1@159.361,105.339 ; TP16.1@156.312,129.946 156.457,129.801 157.083,129.801 157.954,128.93 v1(162.509,128.93) ; TP32.1@160.147,105.334 160.528,105.334 160.933,105.334 161.529,105.334 161.976,104.887 161.976,98.592 162.422,98.146 165.532,98.146 166.497,99.111 166.497,121.423 166.051,121.869 v1(162.433,121.869) ; v1(179.146,127.483) 179.184,127.521 188.404,127.521 v1(188.443,127.559)
  Bottom Layer w0.762: J6.1@153.467,132.294 156.043,132.294 156.489,131.848 156.489,131.775 156.555,131.71 156.555,131.079 156.457,130.981 TP16.1@156.457,130.718 ; TP32.1@160.795,105.776 161.002,105.982 C17.2@163.119,105.982 ; v1(162.433,121.869) 162.509,126.928 162.509,127.483 ; v1(162.509,128.93) 162.509,127.483 ; v1(179.146,127.483) 162.509,127.483 ; v1(188.443,127.559) 188.443,137.933 188.889,138.379 D20.1@194.058,138.379
Net*2_1: *2.1 C19.1 R54.2 R62.2 R81.2 TP36.1 | length 125.7
  Top Layer w0.762: R62.2@148.565,86.039 148.565,89.114 149.011,89.56 TP36.1@154.408,89.56 ; *2.1@155.067,78.74 155.067,80.757 155.513,81.204 156.881,81.204 157.328,81.65 157.328,84.618 156.881,85.065 155.28,85.065 R54.2@155.169,85.176 155.181,85.188 TP36.1@155.181,88.775 ; TP36.1@155.194,89.56 155.194,90.346 155.194,92.659 156.21,93.675 190.739,93.675 191.186,94.122 191.186,134.504 191.632,134.95 193.279,134.95 193.726,135.397 193.726,142.886 194.172,143.332 197.857,143.332 R81.2@197.958,143.231
  Bottom Layer w0.762: C19.1@148.539,87.908 148.539,89.114 148.986,89.56 154.409,89.56 TP36.1@155.194,89.56
Net*2_2: *2.2 R54.1 R68.2 R69.1 R73.1 RP11.2 TP42.1 | length 52.4
  Top Layer w0.762: R54.1@155.169,83.074 154.946,82.852 154.021,82.852 153.797,82.628 *2.2@153.797,78.74 153.797,77.416 154.243,76.97 160.59,76.97 161.036,77.416 161.036,81.189 161.482,81.636 165.363,81.636 165.809,81.189 165.809,69.039 165.119,68.348 TP42.1@164.563,68.348 ; RP11.2@171.425,66.142 171.45,66.167 175.428,66.167 R68.2@175.454,66.192
  Bottom Layer w0.762: TP42.1@164.008,67.793 164.028,67.813 164.792,67.813 167.01,67.813 R73.1@167.03,67.834 167.03,66.167 167.538,66.167 167.564,66.142 ; R69.1@167.03,64.449 167.03,66.142 167.564,66.142 ; RP11.2@171.425,66.142 167.564,66.142
Net*2_3: *2.3 R55.2 R56.1 R60.2 RP10.2 TP38.1 | length 34.9
  Top Layer w0.762: TP38.1@152.476,86.159 TP38.1@152.476,86.944 ; *2.3@152.527,78.74 TP38.1@152.527,86.108 ; RP10.2@171.425,87.325 171.45,87.351 175.438,87.351 R55.2@175.463,87.376
  Bottom Layer w0.762: TP38.1@152.476,86.944 153.261,86.944 166.811,86.944 167.157,87.29 ; R56.1@167.132,85.566 167.157,85.591 167.157,87.29 ; R60.2@167.183,89.154 167.157,89.129 167.157,87.36 167.192,87.325 ; RP10.2@171.425,87.325 167.192,87.325 ; 167.157,87.29 167.192,87.325
Net*2_5: *2.5 R57.1 R58.2 | length 25.7
  Top Layer w0.762: R58.2@141.326,81.518 141.364,81.556 v1(141.364,85.23) 141.364,88.903 R57.1@141.402,88.941 ; v1(144.247,76.581) 144.262,76.597 149.541,76.597 149.987,77.043 *2.5@149.987,78.74
  Bottom Layer w0.762: v1(141.364,85.23) 141.461,85.133 142.733,85.133 143.18,84.686 143.18,82.982 144.247,81.915 v1(144.247,76.581)
Net*2_6: *2.6 C19.2 R62.1 R63.1 TP37.1 | length 16.8
  Top Layer w0.762: TP37.1@145.542,84.732 145.542,88.916 R63.1@145.567,88.941 ; TP37.1@146.302,83.942 148.56,83.942 R62.1@148.565,83.938 148.717,83.785 *2.6@148.717,78.74
  Bottom Layer w0.762: TP37.1@145.517,83.947 145.662,83.801 146.288,83.801 146.434,83.947 148.093,83.947 148.539,84.393 C19.2@148.539,86.106
Net*2_7: *2.7 D13.2 R17.2 R58.1 TP51.1 | length 20.3
  Top Layer w0.762: R17.2@130.277,82.712 130.323,82.758 137.189,82.758 137.927,82.758 TP51.1@137.973,82.804 ; TP51.1@137.973,82.018 D13.2@137.973,79.477 141.265,79.477 R58.1@141.326,79.416 141.548,79.194 147.345,79.194 147.447,79.092 *2.7@147.447,78.74
Net*2_8: *2.8 D15.2 R74.2 R124.1 TP44.1 | length 12.2
  Top Layer w0.762: D15.2@138.049,73.558 138.049,73.588 141.193,73.588 R124.1@141.224,73.619 R124.1@141.237,73.631 ; TP44.1@141.275,76.378 141.249,76.352 141.249,75.593 141.249,73.644 R124.1@141.237,73.631 ; *2.8@147.447,73.712 147.413,73.678 144.332,73.678 R74.2@144.297,73.644 144.285,73.631 R124.1@141.237,73.631
Net*2_9: *2.9 Q6.3 R72.2 R75.2 R124.2 TP45.1 | length 86.2
  Top Layer w0.762: TP45.1@141.122,68.656 TP45.1@141.247,68.531 ; 141.173,66.929 145.339,66.929 147.396,68.986 v1(148.768,68.986) ; TP45.1@141.173,69.44 141.173,71.466 R124.2@141.224,71.517 ; TP45.1@141.247,67.871 141.247,61.762 141.693,61.316 147.853,61.316 ; TP45.1@141.247,67.871 141.247,67.881 TP45.1@141.247,68.531 ; TP45.1@141.678,68.101 TP45.1@141.247,68.531 ; Q6.3@147.828,63.186 147.828,61.341 147.853,61.316 ; *2.9@148.717,73.712 148.717,72.984 148.742,72.958 v1@148.742,69.012 ; v1(182.258,76.911) 182.258,72.506 181.811,72.06 170.536,72.06 169.901,71.425 169.901,61.762 169.454,61.316 147.853,61.316
  Bottom Layer w0.762: v1@148.671,68.889 v1(148.768,68.986) ; R72.2@182.245,79.645 182.258,79.632 v1(182.258,76.911) 182.258,74.19 R75.2@182.27,74.177
Net*2_10: *2.10 R67.2 R76.2 TP43.1 | length 24.9
  Top Layer w0.762: *2.10@149.987,73.712 149.987,75.108 150.579,75.7 163.257,75.7 163.754,76.197 163.754,77.7 TP43.1@163.754,78.486
  Bottom Layer w0.762: TP43.1@163.754,78.486 163.774,78.507 164.538,78.507 R67.2@167.111,78.507 ; R76.2@167.03,74.965 167.081,75.016 167.081,78.477 R67.2@167.111,78.507 ; R67.2@167.132,78.527 R67.2@167.111,78.507
Net*2_12: *2.12 R77.1 R79.1 RP13.2 TP48.1 | length 52.3
  Top Layer w0.762: *2.12@152.527,73.712 152.527,69.342 153.772,68.097 158.725,68.097 159.258,67.564 159.258,63.388 159.704,62.941 168.184,62.941 168.631,63.388 168.631,74.955 170.35,76.675 171.295,76.675 RP13.2@171.379,76.759
  Bottom Layer w0.762: RP13.2@171.379,76.759 171.442,76.822 TP48.1@178.059,76.822 ; R77.1@178.816,79.62 178.829,79.607 TP48.1@178.829,77.671 ; TP48.1@178.841,76.886 178.854,76.873 178.854,76.101 178.854,74.139 R79.1@178.867,74.127
Net*2_13: *2.13 D13.1 D15.1 R64.1 R121.2 TP39.1 U5.4 | length 86.1
  Top Layer w0.762: U5.4@115.094,64.458 TP39.1@123.878,64.458 ; v1(130.099,64.364) R64.1@130.099,68.875 ; R64.1@130.251,68.926 134.417,68.926 ; D13.1@134.57,79.477 134.57,69.079 134.417,68.926 ; D15.1@138.049,70.206 138.049,69.017 137.958,68.926 134.417,68.926 ; *2.13@153.797,73.712 153.797,70.033 154.243,69.587 157.378,69.587 157.424,69.541 159.364,69.541 v1(159.461,69.444)
  Bottom Layer w0.762: TP39.1@125.442,64.414 125.446,64.414 125.448,64.414 v1@130.048,64.414 ; v1(130.099,64.364) 137.49,64.364 140.894,60.96 159.015,60.96 159.461,61.406 v1(159.461,69.444)
Net*2_14: *2.14 C23.2 D21.1 J3.1 R121.1 TP31.1 TP47.1 | length 147.1
  Top Layer w0.762: *2.14@155.067,73.712 155.067,72.252 155.513,71.806 157.378,71.806 R121.1@157.436,71.748 ; R121.1@157.378,71.749 160.5,71.748 160.946,71.302 160.946,71.283 161.389,70.841 TP47.1@161.595,70.841 161.696,70.739 161.696,70.082 TP47.1@161.696,70.062 ; TP47.1@161.696,70.055 161.696,64.835 162.143,64.389 166.914,64.389 167.361,64.835 167.361,90.729 ; v1(162.331,90.653) 162.408,90.729 167.361,90.729 ; v1(188.316,91.999) 168.631,91.999 167.361,90.729
  Bottom Layer w0.762: J3.1@153.467,99.198 156.627,99.198 156.769,99.339 ; TP31.1@156.769,98.169 156.769,99.339 ; v1@162.103,91.24 162.103,102.477 161.507,103.073 158.638,103.073 156.769,101.204 156.769,99.339 ; TP47.1@162.366,70.986 163.861,70.986 C23.2@164.008,71.134 ; v1(188.316,91.999) 188.366,91.948 190.79,91.948 191.237,92.394 191.237,134.478 191.683,134.925 D21.1@194.109,134.925
Net*_1: *.1 C1.1 R5.2 R9.2 R80.2 TP9.1 | length 81.3
  Top Layer w0.762: R9.2@148.133,152.892 148.133,156.322 148.579,156.769 TP9.1@156.244,156.769 ; *.1@154.508,146.862 154.508,148.372 154.955,148.819 156.424,148.819 156.87,149.265 TP9.1@156.87,155.406 ; R5.2@154.686,153.095 156.805,153.095 ; TP9.1@156.769,155.399 156.769,155.406 TP9.1@156.769,155.804 ; TP9.1@156.769,156.185 157.554,156.185 166.929,156.185 169.189,153.924 169.189,149.011 169.636,148.565 R80.2@197.774,148.565
  Bottom Layer w0.762: C1.1@148.158,155.282 148.182,155.282 148.554,155.653 148.554,156.509 149,156.956 TP9.1@156.623,156.956
Net*_2: *.2 R5.1 R15.2 R16.1 R20.1 RP2.2 TP13.1 | length 59.2
  Top Layer w0.762: R5.1@154.686,150.994 154.464,150.771 153.685,150.771 153.238,150.325 153.238,146.21 153.34,146.108 153.34,145.718 154.075,144.983 160.488,144.983 160.934,145.43 160.934,149.642 161.381,150.089 166.228,150.089 166.675,149.642 166.675,141.884 163.93,139.139 163.93,133.009 163.93,132.885 163.93,132.867 163.917,132.867 163.525,132.867 TP13.1@163.144,132.867 ; RP2.2@171.648,132.664 RP2.2@171.712,132.601
  Bottom Layer w0.762: TP13.1@163.144,132.867 163.929,132.867 164.061,132.736 166.802,132.736 ; R16.1@166.802,131.013 166.802,132.736 ; R20.1@166.802,134.458 166.802,132.736 ; RP2.2@171.648,132.664 166.873,132.664 166.802,132.736 ; RP2.2@171.712,132.601 R15.2@175.314,132.601
Net*_3: *.3 R1.2 R2.1 R7.2 RP1.2 TP10.1 | length 35.5
  Top Layer w0.762: TP10.1@151.867,154.866 152.121,154.612 TP10.1@152.121,153.856 ; *.3@151.968,146.862 151.968,153.621 TP10.1@152.197,153.85 ; RP1.2@171.679,154.051 171.717,154.089 175.365,154.089 R1.2@175.403,154.127
  Bottom Layer w0.762: TP10.1@152.197,154.635 152.343,154.489 152.968,154.489 152.982,154.489 153.813,154.489 154.404,153.899 166.751,153.899 R7.2@166.751,155.81 ; R2.1@166.726,152.232 166.738,152.244 166.738,154.021 166.768,154.051 RP1.2@171.679,154.051
Net*_5: *.5 R3.1 R4.2 | length 25.4
  Top Layer w0.762: R3.1@140.386,156.15 140.411,156.124 v1(140.411,152.756) 140.411,149.387 R4.2@140.437,149.361 ; v1(143.637,144.551) 148.819,144.551 149.428,145.161 *.5@149.428,146.862
  Bottom Layer w0.762: v1(140.411,152.756) 142.646,152.756 143.637,151.765 v1(143.637,144.551)
Net*_6: *.6 C1.2 R9.1 R10.1 TP8.1 | length 23.6
  Top Layer w0.762: R10.1@145.186,156.15 R10.1@145.194,156.142 ; TP8.1@145.202,153.567 R10.1@145.194,156.142 ; R9.1@148.133,150.79 R9.1@148.145,150.778 ; *.6@148.158,146.862 148.158,147.603 148.145,147.616 R9.1@148.145,150.778 ; TP8.1@145.194,153.569 R10.1@145.194,156.142 ; TP8.1@145.194,153.569 R10.1@145.194,156.142 ; TP8.1@145.194,153.569 145.194,153.398 TP8.1@145.202,153.39 TP8.1@145.202,152.605 ; 145.202,151.224 TP8.1@145.202,152.605 ; 145.202,151.224 TP8.1@145.202,152.605 ; 145.202,151.224 145.649,150.778 148.133,150.778 R9.1@148.145,150.778
  Bottom Layer w0.762: TP8.1@145.202,153.39 145.247,153.435 TP8.1@145.986,153.435 ; C1.2@148.158,153.48 C1.2@148.113,153.435 ; TP8.1@145.986,153.435 C1.2@148.113,153.435 ; TP8.1@145.986,153.435 C1.2@148.113,153.435
Net*_7: *.7 D2.2 R4.1 R6.2 TP49.1 | length 15.7
  Top Layer w0.762: TP49.1@137.266,152.935 137.266,150.195 R6.2@137.271,150.19 137.271,147.907 137.787,147.391 D2.2@137.787,147.252 ; D2.2@137.779,147.244 D2.2@137.787,147.252 ; TP49.1@137.974,153.389 138.01,153.555 TP49.1@138.047,153.721 ; *.7@146.888,146.862 146.888,147.112 146.786,147.214 140.482,147.214 R4.1@140.437,147.26 140.429,147.252 D2.2@137.787,147.252
Net*_8: *.8 D3.2 R21.2 R122.1 TP15.1 | length 11.8
  Top Layer w0.762: D3.2@137.754,141.681 137.771,141.699 140.546,141.699 R122.1@140.564,141.716 ; TP15.1@140.564,143.867 140.564,141.741 R122.1@140.564,141.716 ; TP15.1@141.243,144.258 141.296,144.455 TP15.1@141.349,144.653 ; *.8@146.888,141.834 146.842,141.788 143.582,141.788 R21.2@143.535,141.741 143.523,141.729 140.576,141.729 R122.1@140.564,141.716
Net*_9: *.9 Q2.3 R19.2 R22.2 R122.2 TP3.1 | length 96.8
  Top Layer w0.762: R122.2@140.564,139.614 140.564,130.063 141.035,129.591 TP3.1@142.699,129.591 ; TP3.1@142.839,129.29 TP3.1@143.485,129.591 TP3.1@143.785,128.865 ; TP3.1@142.979,128.99 TP3.1@143.409,128.888 ; TP3.1@143.485,129.21 143.485,128.865 143.485,128.805 143.485,127.904 144.236,127.152 165.506,127.152 168.402,130.048 168.402,138.593 168.848,139.04 172.822,139.04 173.134,139.04 174.65,140.437 181.684,140.437 182.131,140.883 v1(182.131,143.32) ; TP3.1@144.27,129.591 147.432,129.591 147.879,130.037 147.879,130.47 Q2.3@147.904,130.496 ; v1(148.107,137.084) 148.158,137.135 *.9@148.158,141.834
  Bottom Layer w0.762: TP3.1@144.266,129.515 147.661,129.515 ; TP3.1@144.27,129.591 147.661,129.515 ; v1(148.107,137.084) 148.107,129.961 147.661,129.515 ; R19.2@182.093,146.345 182.131,146.307 v1(182.131,143.32) 182.131,140.332 R22.2@182.169,140.294
Net*_10: *.10 R14.2 R23.2 TP14.1 | length 22.6
  Top Layer w0.762: *.10@149.428,141.834 149.428,143.158 149.875,143.604 162.65,143.604 163.097,144.051 TP14.1@163.097,144.555
  Bottom Layer w0.762: TP14.1@163.652,145.11 163.698,145.156 164.436,145.156 166.705,145.156 R14.2@166.751,145.202 166.764,145.19 166.764,143.421 166.764,141.653 R23.2@166.776,141.64
Net*_12: *.12 R24.1 R26.1 RP4.2 TP6.1 | length 57.3
  Top Layer w0.762: *.12@151.968,141.834 151.968,134.558 152.415,134.112 155.499,134.112 155.499,132.984 155.945,132.537 158.431,132.537 158.877,132.091 158.877,130.734 158.928,130.683 166,130.683 166.446,131.129 166.446,139.09 170.79,143.434 RP4.2@171.755,143.434
  Bottom Layer w0.762: TP6.1@177.65,143.446 RP4.2@171.755,143.434 177.65,143.434 177.689,143.263 TP6.1@177.729,143.092 ; R26.1@178.359,140.141 178.397,140.179 TP6.1@178.397,142.65 ; R24.1@178.359,146.387 178.397,146.349 TP6.1@178.397,144.218 ; TP6.1@179.104,143.844 179.162,143.639 TP6.1@179.22,143.434
Net*_13: *.13 D2.1 D3.1 R11.1 R119.2 TP12.1 U2.4 | length 95.3
  Top Layer w0.762: U2.4@114.84,132.309 U2.4@114.852,132.296 ; TP12.1@122.641,132.309 U2.4@114.852,132.296 ; TP12.1@123.655,132.296 123.44,132.296 TP12.1@123.426,132.296 122.64,132.296 U2.4@114.852,132.296 ; v1@128.943,132.398 128.943,137.265 R11.1@128.93,137.278 134.037,137.278 134.484,137.724 134.484,141.681 134.496,141.694 134.496,147.231 D2.1@134.509,147.244 ; *.13@153.238,141.834 153.238,137.378 153.685,136.931 156.937,136.931 R119.2@156.972,136.897 156.972,134.904 157.321,134.554 158.297,134.554 v1(158.394,134.457) v1@158.394,134.595
  Bottom Layer w0.762: TP12.1@123.426,132.296 124.211,132.296 128.867,132.296 128.956,132.385 128.956,128.194 129.819,127.33 157.948,127.33 158.394,127.777 v1(158.394,134.457)
  other v1: 128.88,132.131
Net*_14: *.14 C9.2 D19.1 J7.1 R119.1 TP17.1 TP46.1 | length 182.8
  Top Layer w0.762: v1(134.442,99.746) 134.455,99.733 134.455,91.097 v1(134.468,91.084) ; *.14@154.508,141.834 154.508,139.445 154.955,138.998 R119.1@156.972,138.998 158.869,138.998 TP17.1@159.177,138.691 ; v1(158.521,125.603) 166.7,125.603 169.672,128.575 169.672,137.222 170.118,137.668 173.711,137.668 175.206,139.163 188.53,139.163 188.976,139.609 v1(188.976,141.859)
  Bottom Layer w0.762: v1(134.442,99.746) 134.442,125.258 134.889,125.705 158.761,125.705 159.791,126.735 159.791,137.416 TP17.1@159.791,138.201 ; v1(134.468,91.084) 134.468,69.926 141.935,62.459 155.814,62.459 156.261,62.905 156.261,64.366 TP46.1@156.261,65.151 ; J7.1@153.391,66.624 155.738,66.624 156.115,66.247 TP46.1@156.115,65.922 ; TP17.1@160.576,138.201 160.955,137.822 C9.2@163.805,137.822 ; v1(188.976,141.859) 189.113,141.859 189.291,141.681 D19.1@194.058,141.681
NetC2_1: C2.1 L1.1 RG1.3 TP1.1 | length 23.9
  Top Layer w0.762: C2.1@228.422,145.898 228.448,145.872 236.296,145.872 ; TP1.1@236.245,149.073 236.245,148.287 236.245,145.923 236.296,145.872 ; RG1.3@238.354,145.517 237.998,145.872 236.296,145.872
  Bottom Layer w0.762: L1.1@228.549,152.262 235.124,152.262 236.304,151.082 236.304,149.856 237.03,149.13 TP1.1@237.03,149.073
NetC4_2: C4.2 U2.5 | length 11.1
  Top Layer w0.762: U2.5@114.84,133.579 121.463,133.579 122.885,135.001 C4.2@122.885,137.453
NetC5_1: C5.1 U2.2 U2.14 U2.15 | length 27.8
  Top Layer w0.762: U2.15@109.188,129.769 112.725,129.769 ; U2.14@109.188,131.039 111.785,131.039 112.725,130.099 112.725,129.769 ; C5.1@125.908,137.453 125.908,131.242 124.435,129.769 U2.2@114.84,129.769 112.725,129.769
NetC7_1: C7.1 L2.1 TP5.1 U3.3 | length 45.2
  Bottom Layer w0.762: L2.1@219.903,146.003 224.815,141.09 224.815,131.466 225.262,131.02 C7.1@228.295,131.02 TP5.1@240.958,131.02 ; U3.3@238.252,121.26 238.252,123.774 241.878,127.4 241.878,130.115 241.878,130.436 241.542,130.772 TP5.1@241.293,131.02 ; TP5.1@241.741,130.971 TP5.1@242.517,130.886